# Altium PCB PCB3.PcbDoc (part 5 of 5)
Units mil, origin at the board's own origin, x right, y up, seen from the top; angles counter-clockwise.
Board outline 9836.17 x 5490 mil, 4 copper layers (Top Layer, Int1 (GND), Int2 (PWR), Bottom Layer), stack 53.912 mil thick; 236 components, 108 nets, 2793 pads, 569 vias.
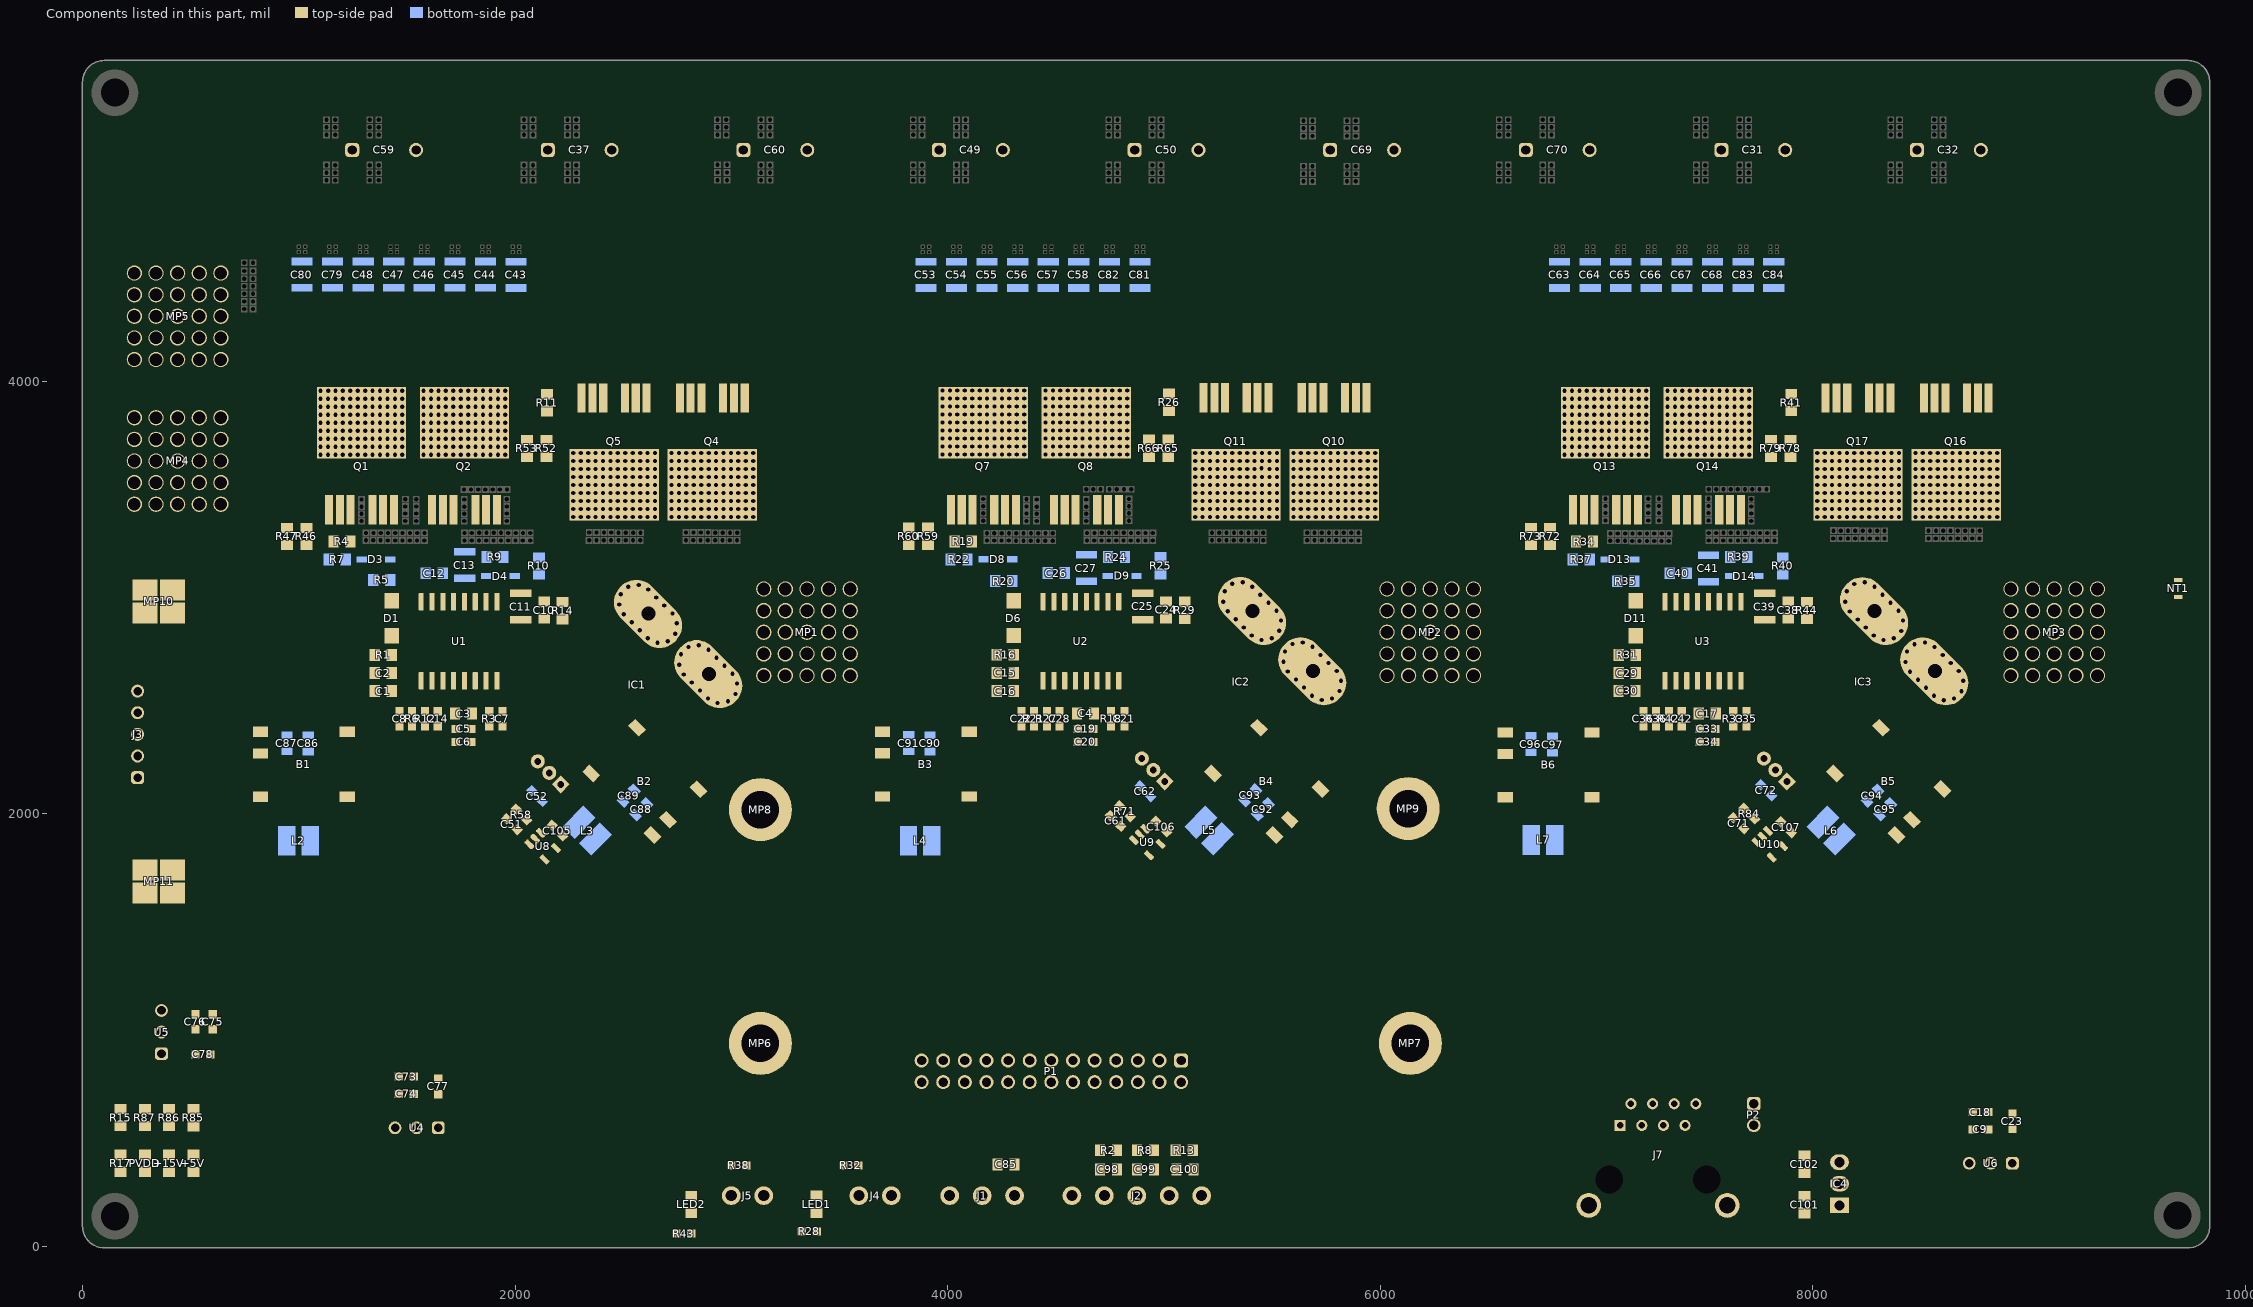
[diagram p7: the components of this part, seen from the top]

## Silkscreen, mask and mechanical layers (free items; w line width, h text height)
Top Overlay:
  drawing of 105 lines, arcs and shapes, not listed
  text "NEGATIVE IN" at 162,4724 h60
  text "PHASE A" at 3120,3166 h70
  text "PHASE B" at 5995.5,3166.5 h70
  text "PHASE C" at 8871.72,3166 h70
  text "POSITIVE IN" at 114,3156 h70
  text "+15V" at 356,2546 h40
  text "PVDD" at 352,2150 h40
  text "Motor Control Unit" at 7559.85,1184.39 h130
  text "MCU V4.0" at 7783.94,1066.38 h130
  text "ISO +5V" at 772,984 h60 r90
  text "24.12.2024" at 7807.54,919.03 h100
  text "STM32 +3.3V" at 8501,734 h60
  text "POS" at 4510,615 h40
  text "HA" at 4697.49,615 h40
  text "HB" at 4844.99,615 h40
  text "HC" at 4992.5,615 h40
  text "GND" at 5140,615 h40
  text "HALL +5V" at 7873,594 h60
  text "GND" at 3201,503 h40
  text "FWD/REW" at 2868,502 h40
  text "GND" at 3917,452 h40
  text "SPEED" at 4070.51,452 h40
  text "POS" at 4304,452 h40
  text "ENABLE" at 3469,443 h40
  text "GND" at 3729,443 h40
  text "DRIVER +5V" at 1278,140 h60
Bottom Solder:
  pour cut-out: 8680.04,3812.65 ccw(c8702.51,3812.65) 8702.51,3790.18 ccw(c8702.51,3812.65) 8724.98,3812.65 ccw(c8702.51,3812.65) 8702.51,3835.12 ccw(c8702.51,3812.65)
  pour cut-out: 7397.29,3305.4 ccw(c7419.76,3305.4) 7419.76,3282.93 ccw(c7419.76,3305.4) 7442.23,3305.4 ccw(c7419.76,3305.4) 7419.76,3327.87 ccw(c7419.76,3305.4)
  pour cut-out: 6970.01,3310.4 ccw(c6992.49,3310.4) 6992.49,3287.93 ccw(c6992.49,3310.4) 7014.96,3310.4 ccw(c6992.49,3310.4) 6992.49,3332.87 ccw(c6992.49,3310.4)
  pour cut-out: 7972.79,3812.9 ccw(c7995.26,3812.9) 7995.26,3790.43 ccw(c7995.26,3812.9) 8017.73,3812.9 ccw(c7995.26,3812.9) 7995.26,3835.37 ccw(c7995.26,3812.9)
  pour cut-out: 7880.29,3811.4 ccw(c7902.76,3811.4) 7902.76,3788.93 ccw(c7902.76,3811.4) 7925.23,3811.4 ccw(c7902.76,3811.4) 7902.76,3833.87 ccw(c7902.76,3811.4)
  pour cut-out: 5807.29,3817.4 ccw(c5829.76,3817.4) 5829.76,3794.93 ccw(c5829.76,3817.4) 5852.23,3817.4 ccw(c5829.76,3817.4) 5829.76,3839.87 ccw(c5829.76,3817.4)
  pour cut-out: 5105.29,3817.4 ccw(c5127.76,3817.4) 5127.76,3794.93 ccw(c5127.76,3817.4) 5150.23,3817.4 ccw(c5127.76,3817.4) 5127.76,3839.87 ccw(c5127.76,3817.4)
  pour cut-out: 4520.29,3302.4 ccw(c4542.76,3302.4) 4542.76,3279.93 ccw(c4542.76,3302.4) 4565.23,3302.4 ccw(c4542.76,3302.4) 4542.76,3324.87 ccw(c4542.76,3302.4)
  pour cut-out: 4091.66,3305.62 ccw(c4114.13,3305.62) 4114.13,3283.15 ccw(c4114.13,3305.62) 4136.6,3305.62 ccw(c4114.13,3305.62) 4114.13,3328.1 ccw(c4114.13,3305.62)
  pour cut-out: 5104.33,3818.36 ccw(c5126.81,3818.36) 5126.81,3795.88 ccw(c5126.81,3818.36) 5149.28,3818.36 ccw(c5126.81,3818.36) 5126.81,3840.83 ccw(c5126.81,3818.36)
  pour cut-out: 5002.93,3810.77 ccw(c5025.4,3810.77) 5025.4,3788.3 ccw(c5025.4,3810.77) 5047.88,3810.77 ccw(c5025.4,3810.77) 5025.4,3833.24 ccw(c5025.4,3810.77)
  pour cut-out: 2902.29,3818.4 ccw(c2924.76,3818.4) 2924.76,3795.93 ccw(c2924.76,3818.4) 2947.23,3818.4 ccw(c2924.76,3818.4) 2924.76,3840.87 ccw(c2924.76,3818.4)
  pour cut-out: 2127.29,3812.4 ccw(c2149.76,3812.4) 2149.76,3789.93 ccw(c2149.76,3812.4) 2172.23,3812.4 ccw(c2149.76,3812.4) 2149.76,3834.87 ccw(c2149.76,3812.4)
  pour cut-out: 2224.64,3809.4 ccw(c2247.11,3809.4) 2247.11,3786.93 ccw(c2247.11,3809.4) 2269.59,3809.4 ccw(c2247.11,3809.4) 2247.11,3831.87 ccw(c2247.11,3809.4)
  pour cut-out: 1645.52,3304.17 ccw(c1668,3304.17) 1668,3281.69 ccw(c1668,3304.17) 1690.47,3304.17 ccw(c1668,3304.17) 1668,3326.64 ccw(c1668,3304.17)
  pour cut-out: 1218.29,3310.4 ccw(c1240.76,3310.4) 1240.76,3287.93 ccw(c1240.76,3310.4) 1263.23,3310.4 ccw(c1240.76,3310.4) 1240.76,3332.87 ccw(c1240.76,3310.4)

## Text inside footprints (layer, text, board x,y; h text height)
C31: Top Overlay "+" at 7283,5030.63 h59.06 r270
C32: Top Overlay "+" at 8180,5035 h59.06 r270
C37: Top Overlay "+" at 1847,5042.38 h59.06 r270
C49: Top Overlay "+" at 3671,5050.12 h59.06 r270
C50: Top Overlay "+" at 4627,4967 h59.06 r90
C59: Top Overlay "+" at 950,5035 h59.06 r270
C60: Top Overlay "+" at 2779,4964 h59.06
C69: Top Overlay "+" at 5477,4982 h59.06
C70: Top Overlay "+" at 6377,5030.25 h59.06 r270
D3: Bottom Overlay "+" at 1290,3089 h39.38
D4: Bottom Overlay "+" at 2004.99,3165.14 h39.38 r180
D8: Bottom Overlay "+" at 4163,3087 h39.38
D9: Bottom Overlay "+" at 4911,3052 h39.38 r180
D13: Bottom Overlay "+" at 7037,3081 h39.38
D14: Bottom Overlay "+" at 7780,3050 h39.38 r180
NT1: Top Designator "Net tie" at 9680.09,3081.65 h31.5 r270
P1: Top Overlay "2" at 5175.67,774.57 h40 r180; Top Overlay "1" at 5163.86,880.87 h40 r180; Top Overlay "25" at 3811.89,880.87 h40 r180; Top Overlay "26" at 3811.89,774.57 h40 r180